# Altium PCB CRD25DA12N-FMC V1.1 (07-2023).PcbDoc (part 7 of 7) (continued)
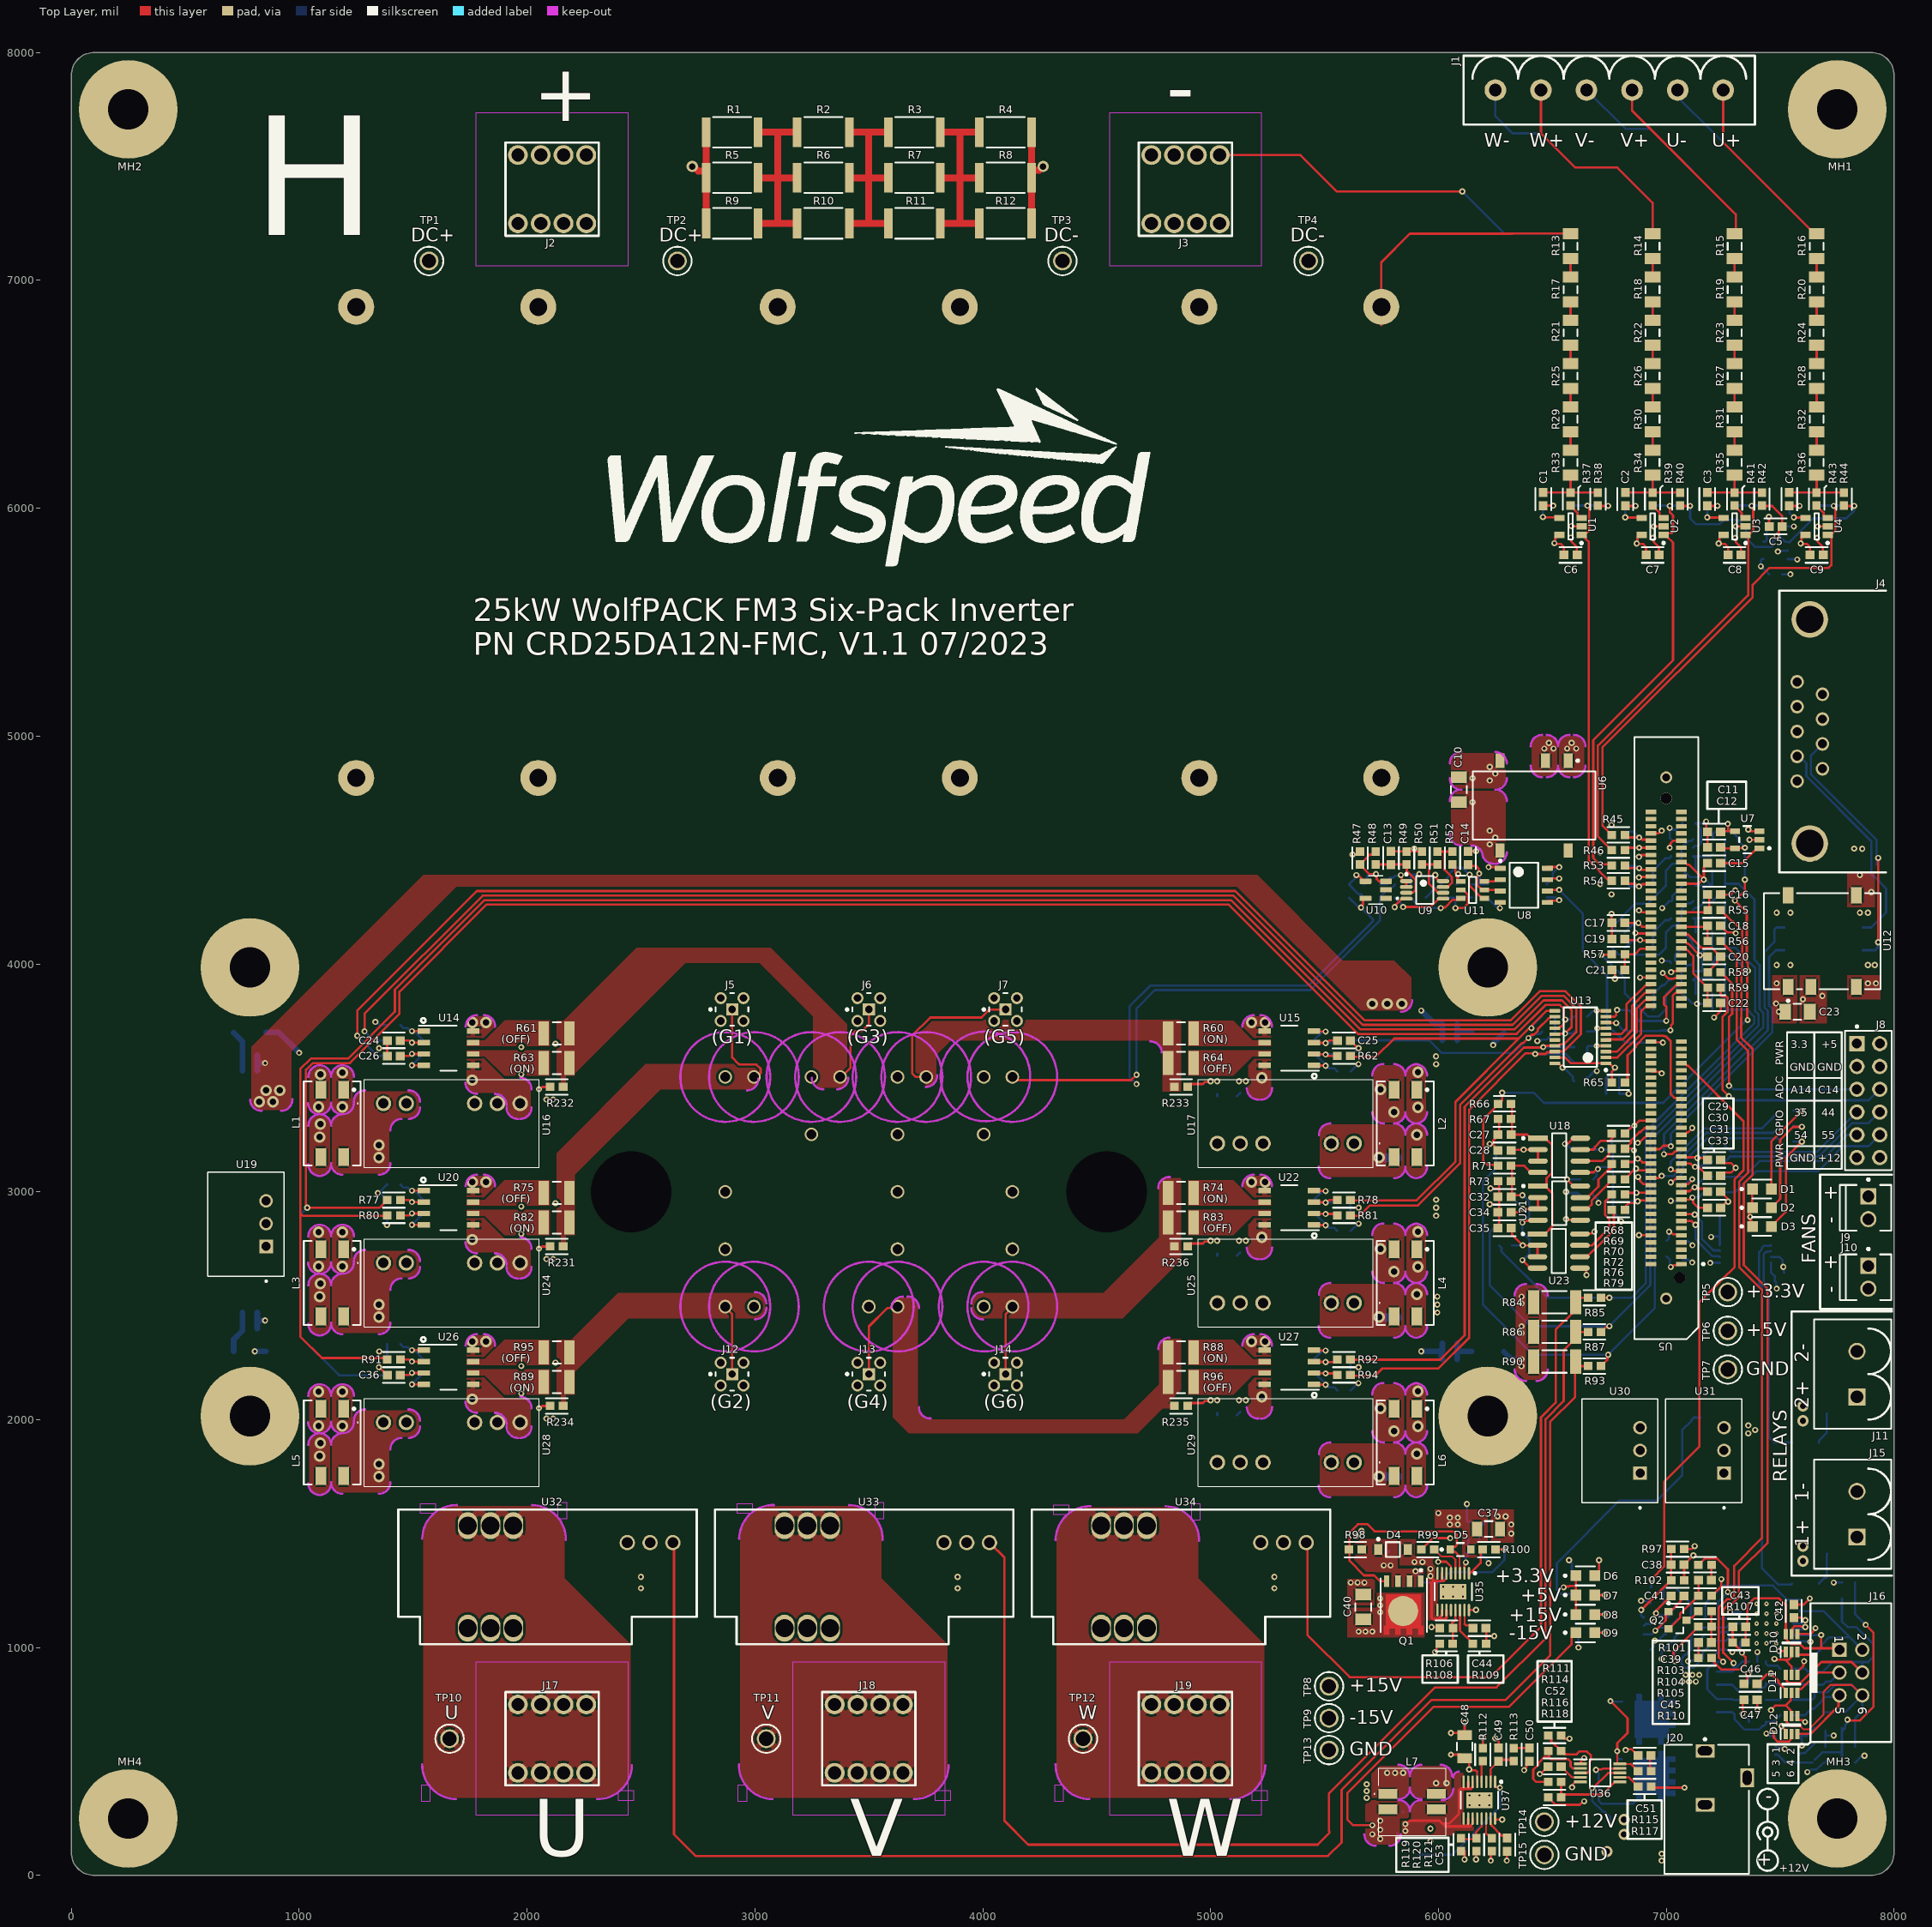
[diagram p0: Top Layer view]
## Keep-outs (continued)
  region: 4555,7755 4515,7755 4515,7685 4555,7685
  rectangle: 4735,7044.79 5040,7077.21
  rectangle: 4535,7262.91 5245,7802.91
  rectangle: 1533.73,985.46 1573.73,1055.46
  region: 2180,990.37 2180,1030.37 2110,1030.37 2110,990.37
  region: 4895,990 4895,1030 4825,1030 4825,990
  rectangle: 4268.73,985.09 4308.73,1055.09
  region: 4890,1395 4850,1395 4850,1325 4890,1325
  region: 1530,1665 1530,1625 1600,1625 1600,1665
  rectangle: 5675,4805 6000,4950.38
  region: 4545,3165 4545,3205 4475,3205 4475,3165
  region: 4675,4065 4635,4065 4635,3995 4675,3995
  region: 4635,4045 4595,4045 4595,3975 4635,3975
  region: 4610,4020 4570,4020 4570,3950 4610,3950
  region: 4580,3990 4540,3990 4540,3920 4580,3920
  rectangle: 2335,3170 2375,3240
  region: 6250,7095 6210,7095 6210,7025 6250,7025
  region: 5875,7755 5835,7755 5835,7685 5875,7685
  rectangle: 5905,7165 5980,7335.38
  rectangle: 5945,7125 6020,7295.38
  rectangle: 6005,7095 6080,7265.38
  rectangle: 5867.58,7280 6120,7755
  rectangle: 6065,7082.58 6250,7755
  rectangle: 1980,3170 2345,3295
  region: 2310,3910 2235,3910 2235,3805 2310,3805
  region: 2290,3930 2215,3930 2215,3825 2290,3825
  region: 2270,3950 2195,3950 2195,3845 2270,3845
  region: 2320,3890 2185,3890 2185,3785 2320,3785
  rectangle: 2165,3855 2240,3960
  rectangle: 2270.5,3285 2345.5,3845
  rectangle: 1095,3795 2235,3971
  region: 730,7740 730,7700 800,7700 800,7740
  rectangle: 2656.25,3503.94 4345.42,3875.51
  rectangle: 2850,3310.19 4175.51,4045.42
  rectangle: 5670,4950 6350,5060.38
  rectangle: 5495,4800 5570,4970.38
  rectangle: 5455,4750 5530,4920.38
  rectangle: 5530,4835 5605,5005.38
  rectangle: 5565,4860 5640,5030.38
  rectangle: 5630,4880 5705,5050.38
  region: 6255,5050 6255,5090 6185,5090 6185,5050
  rectangle: 5430,3975 6050,4820
  lines w10: 680,2680 ccw(c705,2680) 705,2655 ; 680,2735 cw(c705,2735) 705,2760 cw(c705,2785) 680,2785 ; 680,2935 cw(c705,2935) 705,2960 cw(c705,2985) 680,2985 ; 680,3040 cw(c705,3040) 705,3065 ; 753.02,4471.01 ccw(c878,4469) 875.99,4344.02 ; 755.02,7597.41 cw(c905,7595) 907.41,7744.98 ; 775,2760 ccw(c775,2785) 800,2785 cw(c825,2785) 825,2810 ; 775,2960 cw(c775,2935) 800,2935 ccw(c825,2935) 825,2910 ; 885,2655 ccw(c885,2680) 910,2680 ; 885,3065 cw(c885,3040) 910,3040 ; 910,2785 ccw(c885,2785) 885,2810 ccw(c885,2835) 910,2835 ; 910,2885 ccw(c885,2885) 885,2910 ccw(c885,2935) 910,2935 ; 1040,1720 ccw(c1090,1720) 1090,1670 ; 1040.01,1891.2 cw(c1090,1892) 1089.2,1941.99 ; 1040,2420 ccw(c1090,2420) 1090,2370 ; 1040.01,2591.2 cw(c1090,2592) 1089.2,2641.99 ; 1040,3120 ccw(c1090,3120) 1090,3070 ; 1040.01,3291.2 cw(c1090,3292) 1089.2,3341.99 ; 1147.85,4063.45 ccw(c1270,4090) 1267.99,3965.02 ; 1170,1675 ccw(c1170,1725) 1220,1725 ccw(c1270,1725) 1270,1675 ; 1170,2375 ccw(c1170,2425) 1220,2425 ccw(c1270,2425) 1270,2375 ; 1170,3075 ccw(c1170,3125) 1220,3125 ccw(c1270,3125) 1270,3075 ; 1190,1945 ccw(c1190,1995) 1240,1995 cw(c1290,1995) 1290,2045 ; 1190,2645 ccw(c1190,2695) 1240,2695 cw(c1290,2695) 1290,2745 ; 1190,3345 ccw(c1190,3395) 1240,3395 cw(c1290,3395) 1290,3445 ; 1220,1795 cw(c1270,1795) 1270,1845 ; 1220,2495 cw(c1270,2495) 1270,2545 ; 1220,3195 cw(c1270,3195) 1270,3245 ; 1350,1845 cw(c1350,1795) 1400,1795 ; 1350,2545 cw(c1350,2495) 1400,2495 ; 1350,3245 cw(c1350,3195) 1400,3195 ; 1350.81,1674.2 ccw(c1350.01,1724.2) 1400,1725 ; 1350.81,2374.2 ccw(c1350.01,2424.2) 1400,2425 ; 1350.81,3074.2 ccw(c1350.01,3124.2) 1400,3125 ; 1355,1845 ccw(c1355,1895) 1401.98,1877.9 ; 1355,2545 ccw(c1355,2595) 1401.98,2577.9 ; 1355,3245 ccw(c1355,3295) 1401.98,3277.9 ; 1400.01,1869.2 cw(c1450,1870) 1449.2,1919.99 ; 1400.01,2569.2 cw(c1450,2570) 1449.2,2619.99 ; 1400.01,3269.2 cw(c1450,3270) 1449.2,3319.99 ; 1479.2,2044.99 cw(c1480,1995) 1529.99,1995.8 ; 1479.2,2744.99 cw(c1480,2695) 1529.99,2695.8 ; 1479.2,3444.99 cw(c1480,3395) 1529.99,3395.8 ; 1480.8,1920.01 ccw(c1480,1970) 1529.99,1970.8 ; 1480.8,2620.01 ccw(c1480,2670) 1529.99,2670.8 ; 1480.8,3320.01 ccw(c1480,3370) 1529.99,3370.8 ; 1538.75,1147.87 ccw(c1688.73,1145.46) 1686.32,995.48 ; 1540.02,1512.41 cw(c1690,1510) 1692.41,1659.98 ; 1730,1970 ccw(c1780,1970) 1780,1920 ; 1730,2335 cw(c1780,2335) 1780,2385 ; 1730,2670 ccw(c1780,2670) 1780,2620 ; 1730,3035 cw(c1780,3035) 1780,3085 ; 1730,3370 ccw(c1780,3370) 1780,3320 ; 1730,3735 cw(c1780,3735) 1780,3785 ; 1775,1920 ccw(c1775,1970) 1825,1970 ccw(c1875,1970) 1875,1920 ; 1775,2620 ccw(c1775,2670) 1825,2670 ccw(c1875,2670) 1875,2620 ; 1775,3320 ccw(c1775,3370) 1825,3370 ccw(c1875,3370) 1875,3320 ; 1825,2005 cw(c1850,2005) 1850,2030 ccw(c1850,2055) 1875,2055 ; 1825,2385 cw(c1825,2335) 1875,2335 cw(c1925,2335) 1925,2385 ; 1825,2705 cw(c1850,2705) 1850,2730 ccw(c1850,2755) 1875,2755 ; 1825,3085 cw(c1825,3035) 1875,3035 cw(c1925,3035) 1925,3085 ; 1825,3405 cw(c1850,3405) 1850,3430 ccw(c1850,3455) 1875,3455 ; 1825,3785 cw(c1825,3735) 1875,3735 cw(c1925,3735) 1925,3785 ; 1880,1920 ccw(c1880,1970) 1930,1970 ccw(c1980,1970) 1980,1920 ; 1880,2620 ccw(c1880,2670) 1930,2670 ccw(c1980,2670) 1980,2620 ; 1880,3320 ccw(c1880,3370) 1930,3370 ccw(c1980,3370) 1980,3320 ; 1930,1980 cw(c1980,1980) 1980,2030 ; 1930,2680 cw(c1980,2680) 1980,2730 ; 1930,3380 cw(c1980,3380) 1980,3430 ; 2017.59,995.39 ccw(c2020,1145.37) 2169.98,1142.96 ; 2025,2030 ccw(c2025,2080) 2075,2080 ; 2025,2385 cw(c2025,2335) 2075,2335 cw(c2125,2335) 2125,2385 ; 2025,2730 ccw(c2025,2780) 2075,2780 ; 2025,3085 cw(c2025,3035) 2075,3035 cw(c2125,3035) 2125,3085 ; 2025,3430 ccw(c2025,3480) 2075,3480 ; 2025,3785 cw(c2025,3735) 2075,3735 cw(c2125,3735) 2125,3785 ; 2124.95,3936.6 cw(c2208,3834) 2268.9,3716.89 ; 2200,1920 ccw(c2199.2,1969.99) 2249.19,1970.8 ; 2200,2385 cw(c2200.8,2335.01) 2250.8,2335.81 ; 2200,2620 ccw(c2199.2,2669.99) 2249.19,2670.8 ; 2200,3085 cw(c2200.8,3035.01) 2250.8,3035.81 ; 2200,3320 ccw(c2199.2,3369.99) 2249.19,3370.8 ; 2200,3785 cw(c2200.8,3735.01) 2250.8,3735.81 ; 2340.02,3332.41 ccw(c2490,3330) 2487.59,3180.02 ; 2858.39,2640 ccw(c2860,2739.99) 2959.99,2738.38 ; 2861.61,2849.99 cw(c2860,2750) 2959.99,2748.39 ; 2928.75,1147.5 ccw(c3078.73,1145.09) 3076.32,995.11 ; 3407.59,995.02 ccw(c3410,1145) 3559.98,1142.59 ; 3614.3,2640 ccw(c3615.91,2739.99) 3715.89,2738.38 ; 3617.51,2849.99 cw(c3615.91,2750) 3715.89,2748.39 ; 4041.62,2741.6 ccw(c4141.61,2739.99) 4140,2640 ; 4041.62,2751.62 cw(c4141.61,2750.01) 4143.22,2850 ; 4273.75,1147.5 ccw(c4423.73,1145.09) 4421.32,995.11 ; 4382.59,3180.02 ccw(c4385,3330) 4534.98,3327.59 ; 4394.41,7744.98 cw(c4392,7595) 4541.98,7592.59 ; 4535,1535 ccw(c4685,1535) 4685,1385 ; 4535.02,3942.03 cw(c4660,3940.02) 4662.01,4065 ; 4732.59,995.02 ccw(c4735,1145) 4884.98,1142.59 ; 4737.41,1384.98 cw(c4735,1235) 4884.98,1232.59 ; 4739.2,2325.81 cw(c4789.2,2325.01) 4790,2375 ; 4739.2,3025.81 cw(c4789.2,3025.01) 4790,3075 ; 4740.8,1819.99 ccw(c4790.8,1819.99) 4790.8,1769.99 ; 4740.8,2519.99 ccw(c4790.8,2519.99) 4790.8,2469.99 ; 4740.8,3219.99 ccw(c4790.8,3219.99) 4790.8,3169.99 ; 4775,3725 cw(c4825,3725) 4825,3775 ; 4970,1905 ccw(c5020,1905) 5020,1855 ; 4970,2100 cw(c5020,2100) 5020,2150 ; 4970,2605 ccw(c5020,2605) 5020,2555 ; 4970,2800 cw(c5020,2800) 5020,2850 ; 4970,3305 ccw(c5020,3305) 5020,3255 ; 4970,3500 cw(c5020,3500) 5020,3550 ; 5040,1770 ccw(c5040,1820) 5089.24,1811.32 ; 5040,1855 cw(c5040,1805) 5090,1805 ; 5040,2470 ccw(c5040,2520) 5089.24,2511.32 ; 5040,2555 cw(c5040,2505) 5090,2505 ; 5040,3170 ccw(c5040,3220) 5089.24,3211.32 ; 5040,3255 cw(c5040,3205) 5090,3205 ; 5088.76,1811.32 ccw(c5138,1820) 5138,1770 ; 5088.76,2511.32 ccw(c5138,2520) 5138,2470 ; 5088.76,3211.32 ccw(c5138,3220) 5138,3170 ; 5125,1770 ccw(c5125,1820) 5175,1820 ccw(c5225,1820) 5225,1770 ; 5125,2150 cw(c5125,2100) 5175,2100 cw(c5225,2100) 5225,2150 ; 5125,2470 ccw(c5125,2520) 5175,2520 ccw(c5225,2520) 5225,2470 ; 5125,2850 cw(c5125,2800) 5175,2800 cw(c5225,2800) 5225,2850 ; 5125,3170 ccw(c5125,3220) 5175,3220 ccw(c5225,3220) 5225,3170 ; 5125,3550 cw(c5125,3500) 5175,3500 cw(c5225,3500) 5225,3550 ; 5219.2,1770.81 ccw(c5220.01,1820.8) 5270,1820 ; 5219.2,2470.81 ccw(c5220.01,2520.8) 5270,2520 ; 5219.2,3170.81 ccw(c5220.01,3220.8) 5270,3220 ; 5220,2375 cw(c5219.2,2325.01) 5269.19,2324.2 ; 5220,3075 cw(c5219.2,3025.01) 5269.19,3024.2 ; 5220,3775 cw(c5219.2,3725.01) 5269.19,3724.2 ; 5240.02,7597.41 cw(c5390,7595) 5392.41,7744.98 ; 5270,2100 ccw(c5220,2100) 5220,2150 ccw(c5220,2200) 5270,2200 ; 5270,2800 ccw(c5220,2800) 5220,2850 ccw(c5220,2900) 5270,2900 ; 5270,3500 ccw(c5220,3500) 5220,3550 ccw(c5220,3600) 5270,3600 ; 5307.99,4065.02 ccw(c5310,4190) 5434.98,4187.99 ; 5475,1730 ccw(c5524.99,1730.8) 5525.8,1680.81 ; 5475,2430 ccw(c5524.99,2430.8) 5525.8,2380.81 ; 5475,3130 ccw(c5524.99,3130.8) 5525.8,3080.81 ; 5475.81,1849.2 cw(c5525.8,1850.01) 5525,1900 ; 5475.81,2549.2 cw(c5525.8,2550.01) 5525,2600 ; 5475.81,3249.2 cw(c5525.8,3250.01) 5525,3300 ; 5625,865 ccw(c5675,865) 5675,815 ; 5625,1135 cw(c5650,1135) 5650,1160 ; 5660,310 ccw(c5685,310) 5685,285 ; 5660,410 cw(c5685,410) 5685,435 ; 5670,1160 ccw(c5670,1210) 5720,1210 ; 5675,65 ccw(c5700,65) 5700,40 ; 5675,240 cw(c5700,240) 5700,265 ; 5710,285 ccw(c5710,310) 5735,310 cw(c5760,310) 5760,335 ; 5720,1220 cw(c5745,1220) 5745,1245 ; 5724.41,7744.98 cw(c5722,7595) 5871.98,7592.59 ; 5750,265 cw(c5750,240) 5775,240 ; 5780,255 ccw(c5805,255) 5805,230 ; 5780,310 cw(c5805,310) 5805,335 ; 5880,410 cw(c5905,410) 5905,435 ; 5899.2,1244.99 cw(c5900,1195) 5949.99,1195.8 ; 5950,965 ccw(c6000,965) 6000,915 ; 5960,230 ccw(c5960,255) 5985,255 ; 5985,315 cw(c6010,315) 6010,340 ; 5999.2,1897.79 cw(c6000,1847.8) 6049.99,1848.6 ; 5999.2,2597.79 cw(c6000,2547.8) 6049.99,2548.6 ; 5999.2,3297.79 cw(c6000,3247.8) 6049.99,3248.6 ; 6000.81,1679.2 ccw(c6000.01,1729.2) 6050,1730 ; 6000.81,2379.2 ccw(c6000.01,2429.2) 6050,2430 ; 6000.81,3079.2 ccw(c6000.01,3129.2) 6050,3130 ; 6035,340 ccw(c6035,365) 6060,365 ; 6035,435 cw(c6035,410) 6060,410 ; 6092.59,5055.02 ccw(c6095,5205) 6244.98,5202.59 ; 6097.41,7086.98 cw(c6095,6937) 6244.98,6934.59 ; 6405,4870 ccw(c6455,4870) 6455,4820 ; 6405,4955 cw(c6455,4955) 6455,5005 ; 6475,4820 ccw(c6475,4870) 6525,4870 ccw(c6575,4870) 6575,4820 ; 6475,5005 cw(c6475,4955) 6525,4955 cw(c6575,4955) 6575,5005 ; 6595,4820 ccw(c6595,4870) 6645,4870 ; 6595,5005 cw(c6595,4955) 6645,4955 ; 6710,720 cw(c6735,720) 6735,745 ; 6710,1685 ccw(c6735,1685) 6735,1660 ; 6710,1740 cw(c6735,1740) 6735,1765 cw(c6735,1790) 6710,1790 ; 6710,1940 cw(c6735,1940) 6735,1965 cw(c6735,1990) 6710,1990 ; 6710,2045 cw(c6735,2045) 6735,2070 ; 6805,1765 ccw(c6805,1790) 6830,1790 cw(c6855,1790) 6855,1815 ; 6805,1965 cw(c6805,1940) 6830,1940 ccw(c6855,1940) 6855,1915 ; 6857,534 cw(c6882,534) 6882,559 ; 6915,1660 ccw(c6915,1685) 6940,1685 ; 6915,2070 cw(c6915,2045) 6940,2045 ; 6940,1790 ccw(c6915,1790) 6915,1815 ccw(c6915,1840) 6940,1840 ; 6940,1890 ccw(c6915,1890) 6915,1915 ccw(c6915,1940) 6940,1940 ; 7009.2,559.99 cw(c7010,510) 7059.99,510.8 ; 7014.2,559.99 cw(c7015,510) 7064.99,510.8 ; 7035.41,114.6 ccw(c7035,139.6) 7060,140 ; 7065.01,504.2 ccw(c7115,505) 7115.8,455.01 ; 7069.2,809.99 cw(c7070,760) 7119.99,760.8 ; 7078.58,1685 ccw(c7103.58,1685) 7103.58,1660 ; 7078.58,1740 cw(c7103.58,1740) 7103.58,1765 cw(c7103.58,1790) 7078.58,1790 ; 7078.58,1940 cw(c7103.58,1940) 7103.58,1965 cw(c7103.58,1990) 7078.58,1990 ; 7078.58,2045 cw(c7103.58,2045) 7103.58,2070 ; 7120.01,669.2 ccw(c7170,670) 7170.8,620.01 ; 7145,810 ccw(c7145,835) 7170,835 ; 7145,915 cw(c7145,890) 7170,890 ; 7173.58,1765 ccw(c7173.58,1790) 7198.58,1790 cw(c7223.58,1790) 7223.58,1815 ; 7173.58,1965 cw(c7173.58,1940) 7198.58,1940 ccw(c7223.58,1940) 7223.58,1915 ; 7189.2,619.19 cw(c7190,569.2) 7239.99,570 ; 7190.81,454.2 ccw(c7190.01,504.2) 7240,505 ; 7283.58,1660 ccw(c7283.58,1685) 7308.58,1685 ; 7283.58,2070 cw(c7283.58,2045) 7308.58,2045 ; 7308.58,1790 ccw(c7283.58,1790) 7283.58,1815 ccw(c7283.58,1840) 7308.58,1840 ; 7308.58,1890 ccw(c7283.58,1890) 7283.58,1915 ccw(c7283.58,1940) 7308.58,1940 ; 7475,1569.52 ccw(c7505,1570) 7505.48,1540 ; 7475,1814.52 cw(c7505,1815) 7504.52,1845 ; 7475,2184.52 ccw(c7505,2185) 7505.48,2155 ; 7475,2429.52 cw(c7505,2430) 7504.52,2460 ; 7770,1439.52 ccw(c7800,1440) 7800.48,1410 ; 7770,1524.52 cw(c7800,1525) 7799.52,1555 ; 7770,2054.52 ccw(c7800,2055) 7800.48,2025 ; 7770,2139.52 cw(c7800,2140) 7799.52,2170 ; 7785,4320 ccw(c7810,4320) 7810,4295 ; 7785,4505 cw(c7810,4505) 7810,4530 ; 7865,4530 cw(c7865,4505) 7890,4505 ; 7934.2,1844.19 cw(c7935.01,1794.2) 7985,1795 ; 7934.2,2459.19 cw(c7935.01,2409.2) 7985,2410 ; 7935.8,1555.01 ccw(c7935,1605) 7984.99,1605.8 ; 7935.8,2170.01 ccw(c7935,2220) 7984.99,2220.8 ; 7954.52,1555 cw(c7955,1525) 7985,1525.48 ; 7954.52,2170 cw(c7955,2140) 7985,2140.48 ; 7955.48,1410 ccw(c7955,1440) 7985,1440.48 ; 7955.48,2025 ccw(c7955,2055) 7985,2055.48

## Silkscreen, mask and mechanical layers (free items; w line width, h text height)
Top Overlay:
  drawing of 92 lines, arcs and shapes, not listed
  text "+" at 2026.69,7914.65 h250 r180
  text "-" at 4806.69,7914.96 h250 r180
  text "W-" at 6200.02,7585 h60
  text "W+" at 6400.02,7585 h60
  text "V-" at 6600.02,7585 h60
  text "V+" at 6800.02,7585 h60
  text "U-" at 7000.02,7585 h60
  text "U+" at 7200.02,7585 h60
  text "DC+" at 1490.03,7170 h60
  text "DC+" at 2580.03,7170 h60
  text "DC-" at 4270.03,7170 h60
  text "DC-" at 5350.03,7170 h60
  text "H" at 796.88,7026.88 h900
  text "25kW WolfPACK FM3 Six-Pack Inverter / PN CRD25DA12N-FMC, V1.1 07/2023" at 1763.05,5355 h100
  text "(OFF)" at 1888.21,3653 h35
  text "(ON)" at 4966,3653 h35
  text "(G1)" at 2810.03,3650 h60
  text "(G3)" at 3405.03,3650 h60
  text "(G5)" at 4005.03,3650 h60
  text "3.3" at 7546.26,3631 h35
  text "+5" at 7680.84,3631 h35
  text "PWR" at 7514,3555.7 h35 r90
  text "GND" at 7543.35,3531 h35
  text "GND" at 7663.35,3531 h35
  text "(ON)" at 1923.2,3523 h35
  text "(OFF)" at 4966,3523 h35
  text "A14" at 7546.26,3431 h35
  text "C14" at 7666.26,3431 h35
  text "ADC" at 7514,3405.7 h35 r90
  text "35" at 7560.84,3331 h35
  text "44" at 7680.84,3331 h35
  text "GPIO" at 7514,3243.77 h35 r90
  text "54" at 7560.84,3231 h35
  text "55" at 7680.84,3231 h35
  text "GND" at 7543.35,3131 h35
  text "+12" at 7666.26,3131 h35
  text "PWR" at 7514,3105.7 h35 r90
  text "+" at 7750,2960.01 h60 r90
  text "(OFF)" at 1888.21,2953 h35
  text "(ON)" at 4966,2953 h35
  text "-" at 7749.99,2860.01 h60 r90
  text "(ON)" at 1923.2,2823 h35
  text "(OFF)" at 4966,2823 h35
  text "FANS" at 7655,2685.04 h60 r90
  text "+" at 7750,2655.01 h60 r90
  text "-" at 7749.99,2555.01 h60 r90
  text "+3.3V" at 7350,2535 h60
  text "+5V" at 7350,2365 h60
  text "(OFF)" at 1888.21,2253 h35
  text "(ON)" at 4966,2253 h35
  text "2-" at 7625,2250.02 h60 r90
  text "GND" at 7350,2195 h60
  text "(ON)" at 1923.2,2123 h35
  text "(OFF)" at 4966,2123 h35
  text "(G2)" at 2805.03,2050 h60
  text "(G4)" at 3405.03,2050 h60
  text "(G6)" at 4005.03,2050 h60
  text "2+" at 7625,2050.02 h60 r90
  text "RELAYS" at 7530,1725.06 h60 r90
  text "1-" at 7625,1640.01 h60 r90
  text "1+" at 7625,1440.01 h60 r90
  text "+3.3V" at 6250.09,1285 h60
  text "+5V" at 6360.05,1200 h60
  text "+15V" at 6310.07,1115 h60
  text "-15V" at 6310.07,1035 h60
  text "+15V" at 5610,805 h60
  text "U" at 1640.01,685 h60
  text "V" at 3030.01,685 h60
  text "W" at 4420.01,685 h60
  text "-15V" at 5610,665 h60
  text "1" at 7499,534.17 h35 r90
  text "2" at 7564,528.34 h35 r90
  text "GND" at 5610,525 h60
  text "3" at 7499,478.34 h35 r90
  text "4" at 7564,478.34 h35 r90
  text "5" at 7499,428.34 h35 r90
  text "6" at 7564,428.34 h35 r90
  text "-" at 7465,364.99 h60 r180
  text "+12V" at 6555,210 h60
  text "+" at 7465,95 h60 r180
  text "U" at 2026.69,85 h250
  text "V" at 3416.69,85 h250
  text "W" at 4806.69,85 h250
  text "GND" at 6555,65 h60
  text "+12V" at 7496,16 h35
Bottom Overlay:
  lines w8: 6614.61,6089.61 6623.8,6098.8 ; 6974.61,6089.61 6983.8,6098.8 ; 7334.61,6089.61 7343.8,6098.8 ; 7694.61,6089.61 7703.8,6098.8 ; 7880,755 7880,669 7990,669 ; 7885,821 7992,821 7992,669
  lines w10: 6900,4015 6921.3,4036.3 6922.52,4036.3 ; 6900,4288 6921.3,4309.3 ; 6935,1300 6935,1350 ; 7080,1230 7080,1250 ; 7170,745 7185,745 ; 7170,865 7185,865 ; 7225,1230 7225,1250 ; 7315,465 7260,465 7260,635 7420,635 7420,465 7395,465 ; 7380,375 7380,360 7380,265 7525,265 ; 7395,435 7555,435 7555,365 ; 7420,620 7433.22,620 7482.52,669.3 ; 7530,640 7530,665 ; 7555,395 7620.39,460.39 ; 7725,717.5 7874.5,717.5 ; 6580,3900 6900,3900 6900,4020 6580,4020 6580,3900 ; 6580,4183.5 6900,4183.5 6900,4303.5 6580,4303.5 6580,4183.5 ; 6832.5,1350 6997.5,1350 6997.5,1470 6832.5,1470 6832.5,1350 ; 7017.5,1250 7182.5,1250 7182.5,1470 7017.5,1470 7017.5,1250 ; 7050,600 7170,600 7170,765 7050,765 7050,600 ; 7050,780 7170,780 7170,940 7050,940 7050,780 ; 7202.5,1250 7367.5,1250 7367.5,1470 7202.5,1470 7202.5,1250
Board Outline:
  lines w10: 55,-8425 ccw(c55,-8325) 155,-8325 ; 0,100 ccw(c100,100) 100,0 7900,0 ccw(c7900,100) 8000,100 8000,7900 ccw(c7900,7900) 7900,8000 100,8000 ccw(c100,7900) 0,7900 0,100
Drill Drawing:
  drawing of 161 lines, arcs and shapes, not listed
  text "*" at 140,12010 h60
  text "THESE HOLES (1.10MM +/- 0.05MM) ARE FOR PRESS-FIT PART. USE 47.2MIL +/- 1MIL DRILLED HOLES. COPPER THICKNESS IN HOLE 25-50UM." at 235,11955 h100
  text "w" at 9.31,11929.72 h200
  text "^" at 145,11825.01 h60
  text "THESE HOLES (1.48MM +/- 0.05MM) ARE FOR PRESS-FIT PART. USE 63.0MIL +/- 1MIL DRILLED HOLES. COPPER THICKNESS IN HOLE 25-60UM." at 240,11760 h100
  text "w" at 15.85,11741.66 h200
  text "Symbol" at 97.5,11578.94 h72
  text "Count" at 603.38,11578.94 h72
  text "Hole Size" at 1203.22,11578.94 h72
  text "Plated" at 2302.9,11578.94 h72
  text "Hole Type" at 2808.77,11578.94 h72
  text "Drill Layer Pair" at 3542.57,11578.94 h72
  text "Via/Pad" at 5042.13,11578.94 h72
  text "Pad Shape" at 5631.97,11578.94 h72
  text "Hole Tolerance (+)" at 6377.77,11578.94 h72
  text "Hole Tolerance (-)" at 7711.38,11578.94 h72
  text "Hole Length" at 9044.99,11578.94 h72
  text "Routed Path Length" at 10074.69,11578.94 h72
  text "27" at 603.38,11428.94 h60
  text "0.20mm (7.87mil)" at 1203.22,11428.94 h60
  text "PTH" at 2302.9,11428.94 h60
  text "Round" at 2808.77,11428.94 h60
  text "Top Layer - Bottom Layer" at 3542.57,11428.94 h60
  text "Via" at 5042.13,11428.94 h60
  text "Rounded" at 5631.97,11428.94 h60
  text "0.08mm (3.00mil)" at 6377.77,11428.94 h60
  text "0.08mm (3.00mil)" at 7711.38,11428.94 h60
  text "-" at 9044.99,11428.94 h60
  text "-" at 10074.69,11428.94 h60
  text "455" at 603.38,11278.94 h60
  text "0.33mm (13.00mil)" at 1203.22,11278.94 h60
  text "PTH" at 2302.9,11278.94 h60
  text "Round" at 2808.77,11278.94 h60
  text "Top Layer - Bottom Layer" at 3542.57,11278.94 h60
  text "Via" at 5042.13,11278.94 h60
  text "Rounded" at 5631.97,11278.94 h60
  text "0.08mm (3.00mil)" at 6377.77,11278.94 h60
  text "0.08mm (3.00mil)" at 7711.38,11278.94 h60
  text "-" at 9044.99,11278.94 h60
  text "-" at 10074.69,11278.94 h60
  text "A" at 68.41,11268.95 h66.67
  text "76" at 603.38,11128.94 h60
  text "0.71mm (28.00mil)" at 1203.22,11128.94 h60
  text "PTH" at 2302.9,11128.94 h60
  text "Round" at 2808.77,11128.94 h60
  text "Top Layer - Bottom Layer" at 3542.57,11128.94 h60
  text "Via" at 5042.13,11128.94 h60
  text "Rounded" at 5631.97,11128.94 h60
  text "0.08mm (3.00mil)" at 6377.77,11128.94 h60
  text "0.08mm (3.00mil)" at 7711.38,11128.94 h60
  text "-" at 9044.99,11128.94 h60
  text "-" at 10074.69,11128.94 h60
  text "32" at 603.38,10978.94 h60
  text "0.84mm (33.07mil)" at 1203.22,10978.94 h60
  text "PTH" at 2302.9,10978.94 h60
  text "Round" at 2808.77,10978.94 h60
  text "Top Layer - Bottom Layer" at 3542.57,10978.94 h60
  text "Pad" at 5042.13,10978.94 h60
  text "(Mixed)" at 5631.97,10978.94 h60
  text "0.08mm (3.00mil)" at 6377.77,10978.94 h60
  text "0.08mm (3.00mil)" at 7711.38,10978.94 h60
  text "-" at 9044.99,10978.94 h60
  text "-" at 10074.69,10978.94 h60
  text "18" at 603.38,10828.94 h60
  text "1.00mm (39.37mil)" at 1203.22,10828.94 h60
  text "PTH" at 2302.9,10828.94 h60
  text "Round" at 2808.77,10828.94 h60
  text "Top Layer - Bottom Layer" at 3542.57,10828.94 h60
  text "Pad" at 5042.13,10828.94 h60
  text "(Mixed)" at 5631.97,10828.94 h60
  text "0.08mm (3.00mil)" at 6377.77,10828.94 h60
  text "0.08mm (3.00mil)" at 7711.38,10828.94 h60
  text "-" at 9044.99,10828.94 h60
  text "-" at 10074.69,10828.94 h60
  text "3" at 603.38,10678.94 h60
  text "1.00mm (39.37mil)" at 1203.22,10678.94 h60
  text "PTH" at 2302.9,10678.94 h60
  text "Slot" at 2808.77,10678.94 h60
  text "Top Layer - Bottom Layer" at 3542.57,10678.94 h60
  text "Pad" at 5042.13,10678.94 h60
  text "Rectangle" at 5631.97,10678.94 h60
  text "0.08mm (3.00mil)" at 6377.77,10678.94 h60
  text "0.08mm (3.00mil)" at 7711.38,10678.94 h60
  text "1.60mm (62.99mil)" at 9044.99,10678.94 h60
  text "0.60mm (23.62mil)" at 10074.69,10678.94 h60
  text "B" at 68.41,10668.95 h66.67
  text "18" at 603.38,10528.94 h60
  text "1.10mm (43.31mil)" at 1203.22,10528.94 h60
  text "PTH" at 2302.9,10528.94 h60
  text "Round" at 2808.77,10528.94 h60
  text "Top Layer - Bottom Layer" at 3542.57,10528.94 h60
  text "Pad" at 5042.13,10528.94 h60
  text "(Mixed)" at 5631.97,10528.94 h60
  text "0.08mm (3.00mil)" at 6377.77,10528.94 h60
  text "0.08mm (3.00mil)" at 7711.38,10528.94 h60
  text "-" at 9044.99,10528.94 h60
  text "-" at 10074.69,10528.94 h60
  text "D" at 68.41,10518.95 h66.67
  text "*" at -85,10430 h60
  text "23" at 603.38,10378.94 h60
  text "1.10mm (43.31mil)" at 1203.22,10378.94 h60
  text "PTH" at 2302.9,10378.94 h60
  text "Round" at 2808.77,10378.94 h60
  text "Top Layer - Bottom Layer" at 3542.57,10378.94 h60
  text "Pad" at 5042.13,10378.94 h60
  text "Rounded" at 5631.97,10378.94 h60
  text "0.05mm (1.97mil)" at 6377.77,10378.94 h60
  text "0.05mm (1.97mil)" at 7711.38,10378.94 h60
  text "-" at 9044.99,10378.94 h60
  text "-" at 10074.69,10378.94 h60
  text "w" at -215.69,10349.72 h200
  text "30" at 603.38,10228.94 h60
  text "1.15mm (45.28mil)" at 1203.22,10228.94 h60
  text "PTH" at 2302.9,10228.94 h60
  text "Round" at 2808.77,10228.94 h60
  text "Top Layer - Bottom Layer" at 3542.57,10228.94 h60
  text "Pad" at 5042.13,10228.94 h60
  text "Rounded" at 5631.97,10228.94 h60
  text "0.08mm (3.00mil)" at 6377.77,10228.94 h60
  text "0.08mm (3.00mil)" at 7711.38,10228.94 h60
  text "-" at 9044.99,10228.94 h60
  text "-" at 10074.69,10228.94 h60
  text "9" at 603.38,10078.94 h60
  text "1.20mm (47.24mil)" at 1203.22,10078.94 h60
  text "PTH" at 2302.9,10078.94 h60
  text "Round" at 2808.77,10078.94 h60
  text "Top Layer - Bottom Layer" at 3542.57,10078.94 h60
  text "Pad" at 5042.13,10078.94 h60
  text "Rounded" at 5631.97,10078.94 h60
  text "0.08mm (3.00mil)" at 6377.77,10078.94 h60
  text "0.08mm (3.00mil)" at 7711.38,10078.94 h60
  text "-" at 9044.99,10078.94 h60
  text "-" at 10074.69,10078.94 h60
  text "2" at 603.38,9928.94 h60
  text "1.27mm (50.00mil)" at 1203.22,9928.94 h60
  text "NPTH" at 2302.9,9928.94 h60
  text "Round" at 2808.77,9928.94 h60
  text "Top Layer - Bottom Layer" at 3542.57,9928.94 h60
  text "Pad" at 5042.13,9928.94 h60
  text "Rounded" at 5631.97,9928.94 h60
  text "0.08mm (3.00mil)" at 6377.77,9928.94 h60
  text "0.08mm (3.00mil)" at 7711.38,9928.94 h60
  text "-" at 9044.99,9928.94 h60
  text "-" at 10074.69,9928.94 h60
  text "4" at 603.38,9778.94 h60
  text "1.30mm (51.18mil)" at 1203.22,9778.94 h60
  text "PTH" at 2302.9,9778.94 h60
  text "Round" at 2808.77,9778.94 h60
  text "Top Layer - Bottom Layer" at 3542.57,9778.94 h60
  text "Pad" at 5042.13,9778.94 h60
  text "(Mixed)" at 5631.97,9778.94 h60
  text "0.08mm (3.00mil)" at 6377.77,9778.94 h60
  text "0.08mm (3.00mil)" at 7711.38,9778.94 h60
  text "-" at 9044.99,9778.94 h60
  text "-" at 10074.69,9778.94 h60
  text "C" at 68.41,9768.95 h66.67
  text "10" at 603.38,9628.94 h60
  text "1.40mm (55.12mil)" at 1203.22,9628.94 h60
  text "PTH" at 2302.9,9628.94 h60
  text "Round" at 2808.77,9628.94 h60
  text "Top Layer - Bottom Layer" at 3542.57,9628.94 h60
  text "Pad" at 5042.13,9628.94 h60
  text "(Mixed)" at 5631.97,9628.94 h60
  text "0.08mm (3.00mil)" at 6377.77,9628.94 h60
  text "0.08mm (3.00mil)" at 7711.38,9628.94 h60
  text "-" at 9044.99,9628.94 h60
  text "-" at 10074.69,9628.94 h60
  text "^" at -100,9525.01 h60
  text "40" at 603.38,9478.94 h60
  text "1.48mm (58.07mil)" at 1203.22,9478.94 h60
  text "PTH" at 2302.9,9478.94 h60
  text "Round" at 2808.77,9478.94 h60
  text "Top Layer - Bottom Layer" at 3542.57,9478.94 h60
  text "Pad" at 5042.13,9478.94 h60
  text "Rounded" at 5631.97,9478.94 h60
  text "0.05mm (1.97mil)" at 6377.77,9478.94 h60
  text "0.05mm (1.97mil)" at 7711.38,9478.94 h60
  text "-" at 9044.99,9478.94 h60
  text "-" at 10074.69,9478.94 h60
  text "E" at 68.41,9468.95 h66.67
  text "w" at -229.15,9441.66 h200
  text "15" at 603.38,9328.94 h60
  text "1.60mm (62.99mil)" at 1203.22,9328.94 h60
  text "PTH" at 2302.9,9328.94 h60
  text "Round" at 2808.77,9328.94 h60
  text "Top Layer - Bottom Layer" at 3542.57,9328.94 h60
  text "Pad" at 5042.13,9328.94 h60
  text "Rounded" at 5631.97,9328.94 h60
  text "0.08mm (3.00mil)" at 6377.77,9328.94 h60
  text "0.08mm (3.00mil)" at 7711.38,9328.94 h60
  text "-" at 9044.99,9328.94 h60
  text "-" at 10074.69,9328.94 h60
  text "30" at 603.38,9178.94 h60
  text "2.00mm (78.74mil)" at 1203.22,9178.94 h60
  text "PTH" at 2302.9,9178.94 h60
  text "Round" at 2808.77,9178.94 h60
  text "Top Layer - Bottom Layer" at 3542.57,9178.94 h60
  text "Pad" at 5042.13,9178.94 h60
  text "Rounded" at 5631.97,9178.94 h60
  text "0.08mm (3.00mil)" at 6377.77,9178.94 h60
  text "0.08mm (3.00mil)" at 7711.38,9178.94 h60
  text "-" at 9044.99,9178.94 h60
  text "-" at 10074.69,9178.94 h60
  text "2" at 603.38,9028.94 h60
  text "3.05mm (120.08mil)" at 1203.22,9028.94 h60
  text "PTH" at 2302.9,9028.94 h60
  text "Round" at 2808.77,9028.94 h60
  text "Top Layer - Bottom Layer" at 3542.57,9028.94 h60
  text "Pad" at 5042.13,9028.94 h60
  text "Rounded" at 5631.97,9028.94 h60
  text "0.13mm (5.00mil)" at 6377.77,9028.94 h60
  text "0.13mm (5.00mil)" at 7711.38,9028.94 h60
  text "-" at 9044.99,9028.94 h60
  text "-" at 10074.69,9028.94 h60
  text "8" at 603.38,8878.94 h60
  text "4.50mm (177.17mil)" at 1203.22,8878.94 h60
  text "PTH" at 2302.9,8878.94 h60
  text "Round" at 2808.77,8878.94 h60
  text "Top Layer - Bottom Layer" at 3542.57,8878.94 h60
  text "Pad" at 5042.13,8878.94 h60
  text "Rounded" at 5631.97,8878.94 h60
  text "0.13mm (5.00mil)" at 6377.77,8878.94 h60
  text "0.13mm (5.00mil)" at 7711.38,8878.94 h60
  text "-" at 9044.99,8878.94 h60
  text "-" at 10074.69,8878.94 h60
  text "2" at 603.38,8728.94 h60
  text "9.00mm (354.33mil)" at 1203.22,8728.94 h60
  text "NPTH" at 2302.9,8728.94 h60
  text "Round" at 2808.77,8728.94 h60
  text "Top Layer - Bottom Layer" at 3542.57,8728.94 h60
  text "Pad" at 5042.13,8728.94 h60
  text "Rounded" at 5631.97,8728.94 h60
  text "0.13mm (5.00mil)" at 6377.77,8728.94 h60
  text "0.13mm (5.00mil)" at 7711.38,8728.94 h60
  text "-" at 9044.99,8728.94 h60
  text "-" at 10074.69,8728.94 h60
  text "F" at 68.41,8718.95 h66.67
  text "804 Total" at 603.38,8578.94 h60
  text "Slot definitions :" at 97.5,8433.97 h60
  text "Routed Path Length" at 1130.19,8433.97 h60
  text "= Calculated from tool start centre position to tool end centre position." at 2232.86,8433.97 h60
  text "Hole Length" at 1130.19,8333.99 h60
  text "= Routed Path Length + Tool Size = Slot length as defined in the PCB layout" at 1822.99,8333.99 h60

## Dimensions
100,8000 to 100,0 on Drill Drawing
0,100 to 8000,100 on Drill Drawing

## Text inside footprints (layer, text, board x,y; h text height)
J16: Top Overlay "1" at 7739.13,1051.42 h40 r270; Top Overlay "6" at 7841.5,740.39 h40 r270; Top Overlay "2" at 7839.13,1063.23 h40 r270; Top Overlay "5" at 7741.5,740.39 h40 r270
Q3: Top Courtyard "Default Padstyle: EX60Y60D43P0" at 3125,3859.5 h50 r180